# Altium PCB board.PcbDoc (part 1 of 3)
Units mm, origin at the board's own origin, x right, y up, seen from the top; angles counter-clockwise.
Board outline 100 x 60 mm, 4 copper layers (Top Layer, Mid Layer 1, Mid Layer 2, Bottom Layer), stack 1.57 mm thick; 239 components, 177 nets, 838 pads, 365 vias.
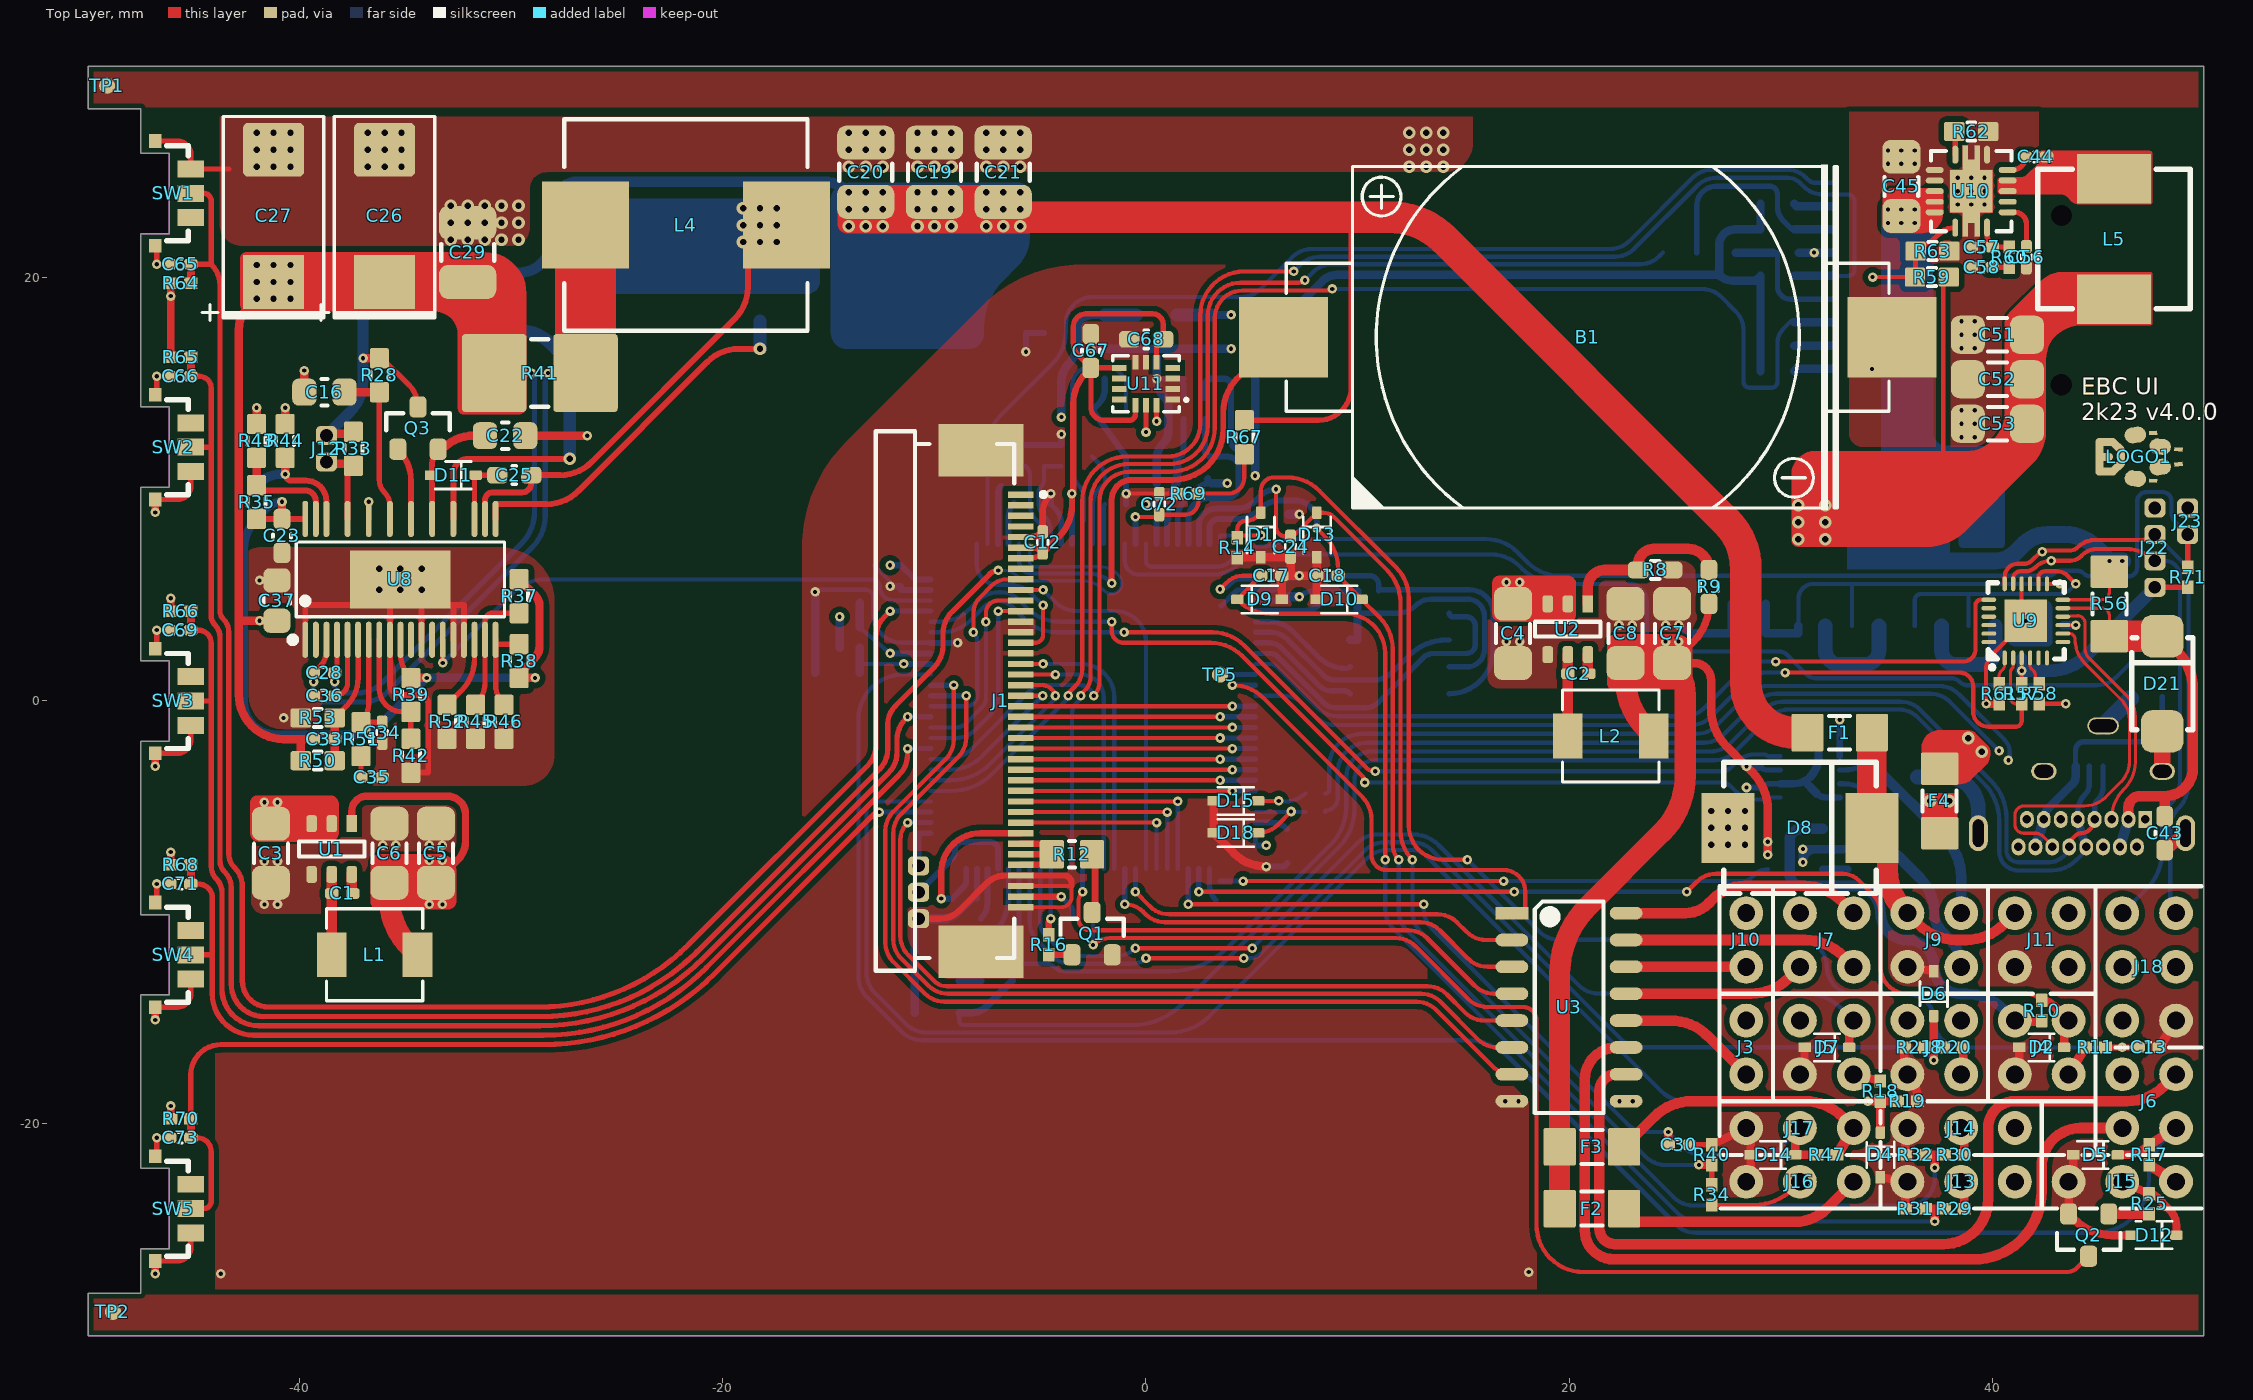
[diagram p0: Top Layer view]
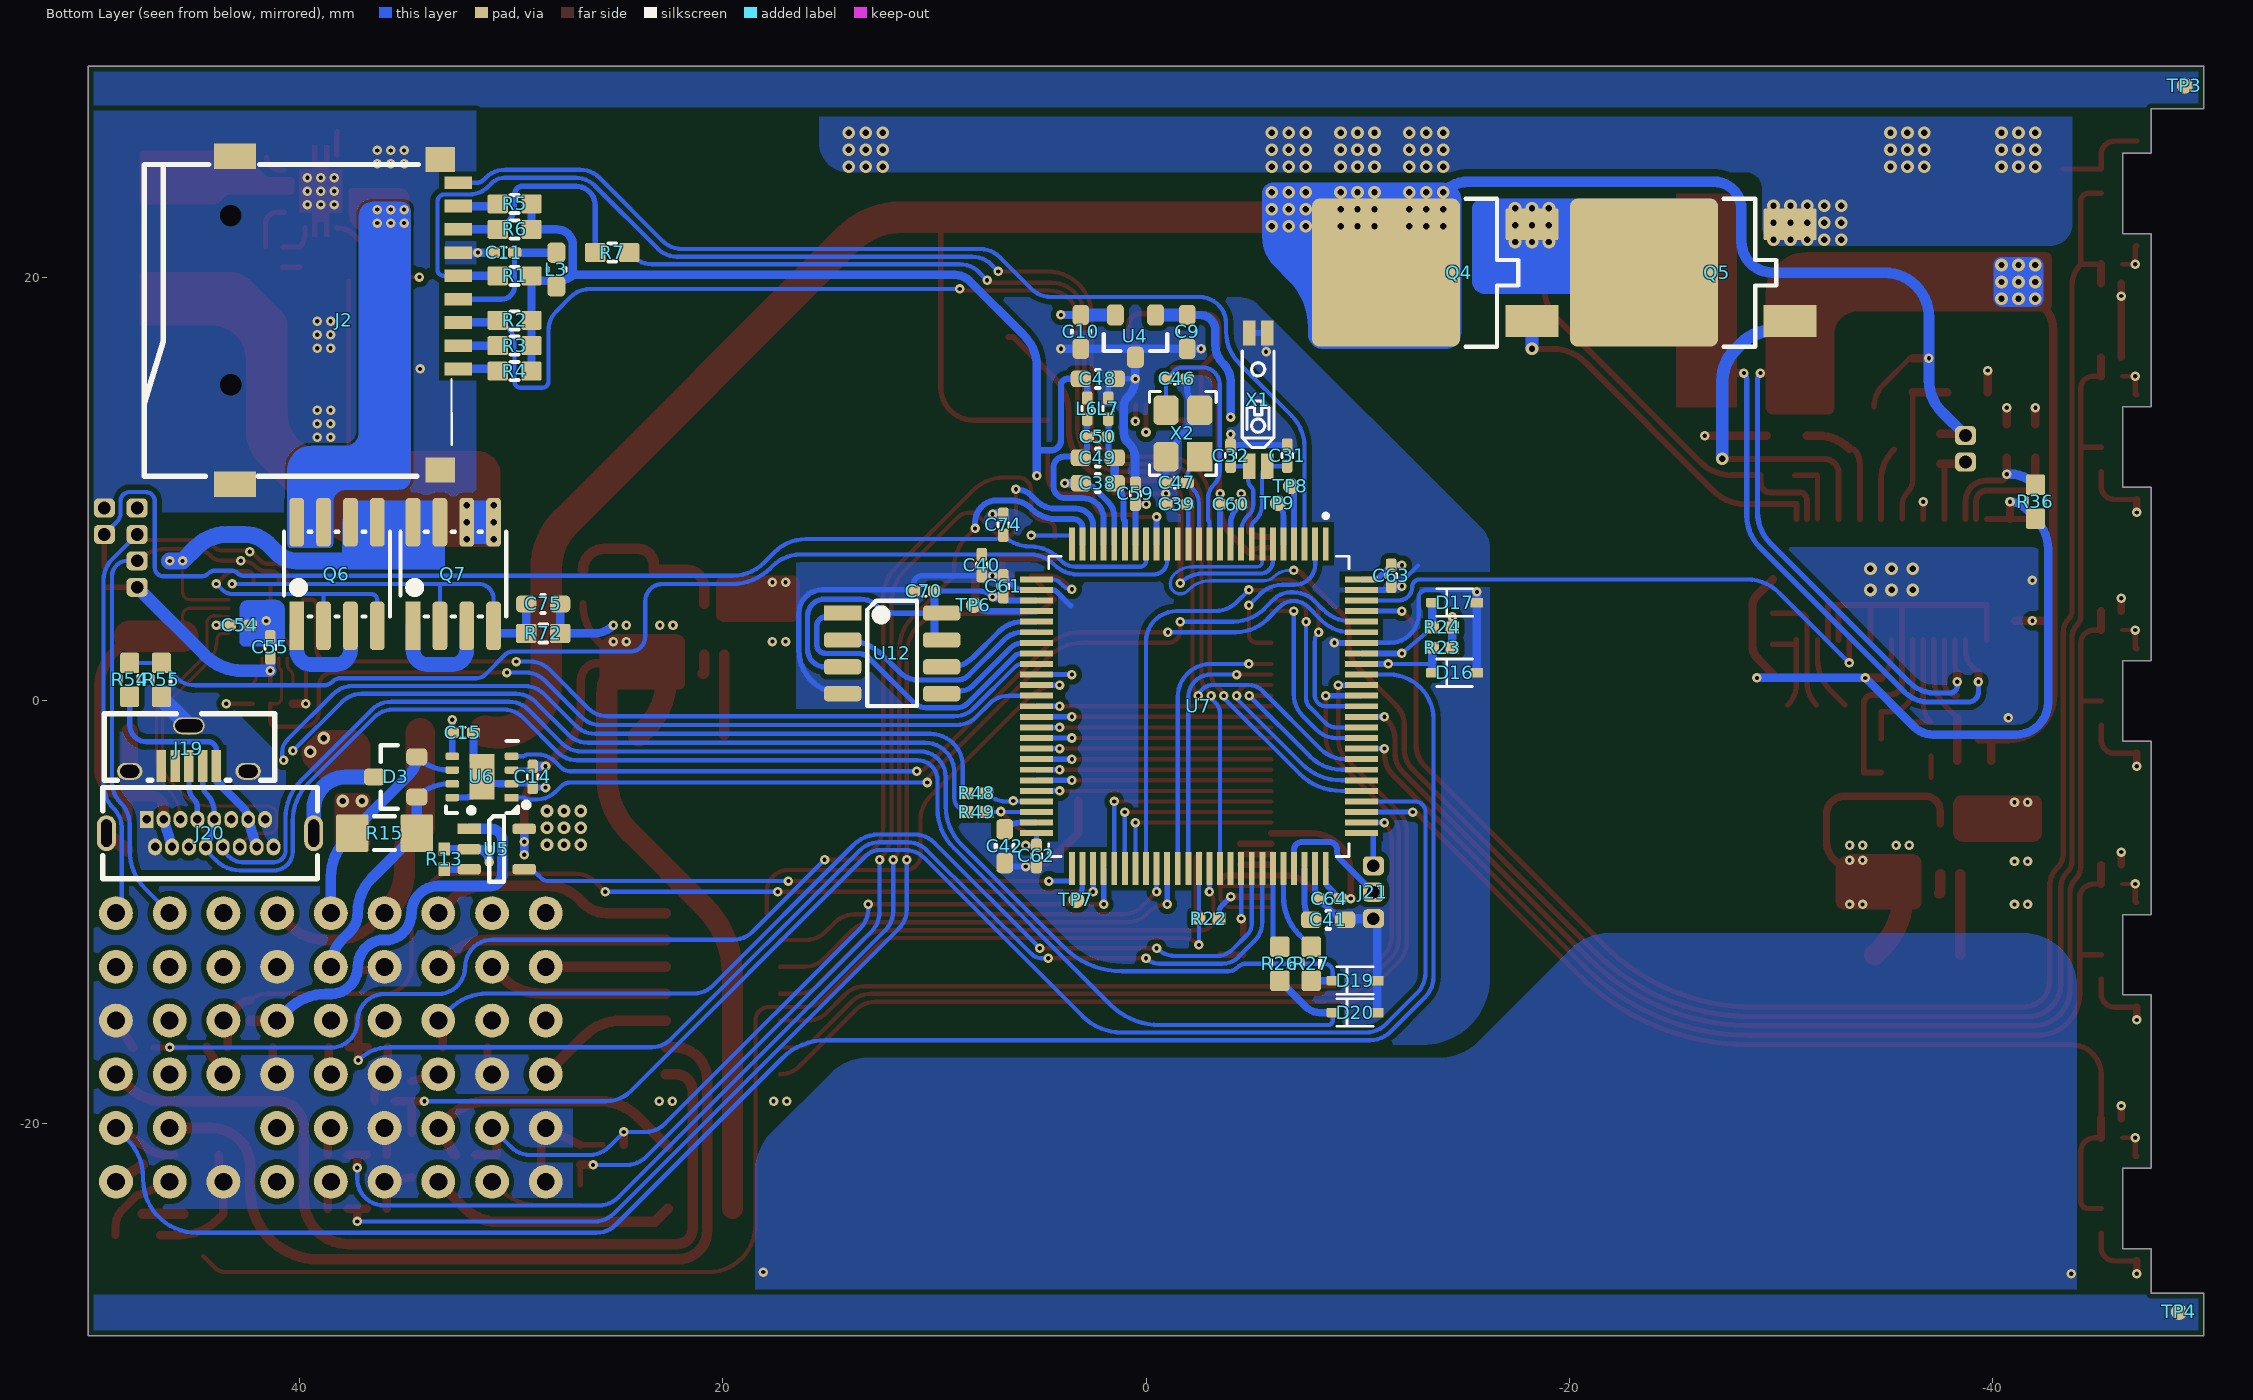
[diagram p1: Bottom Layer view, seen from below]
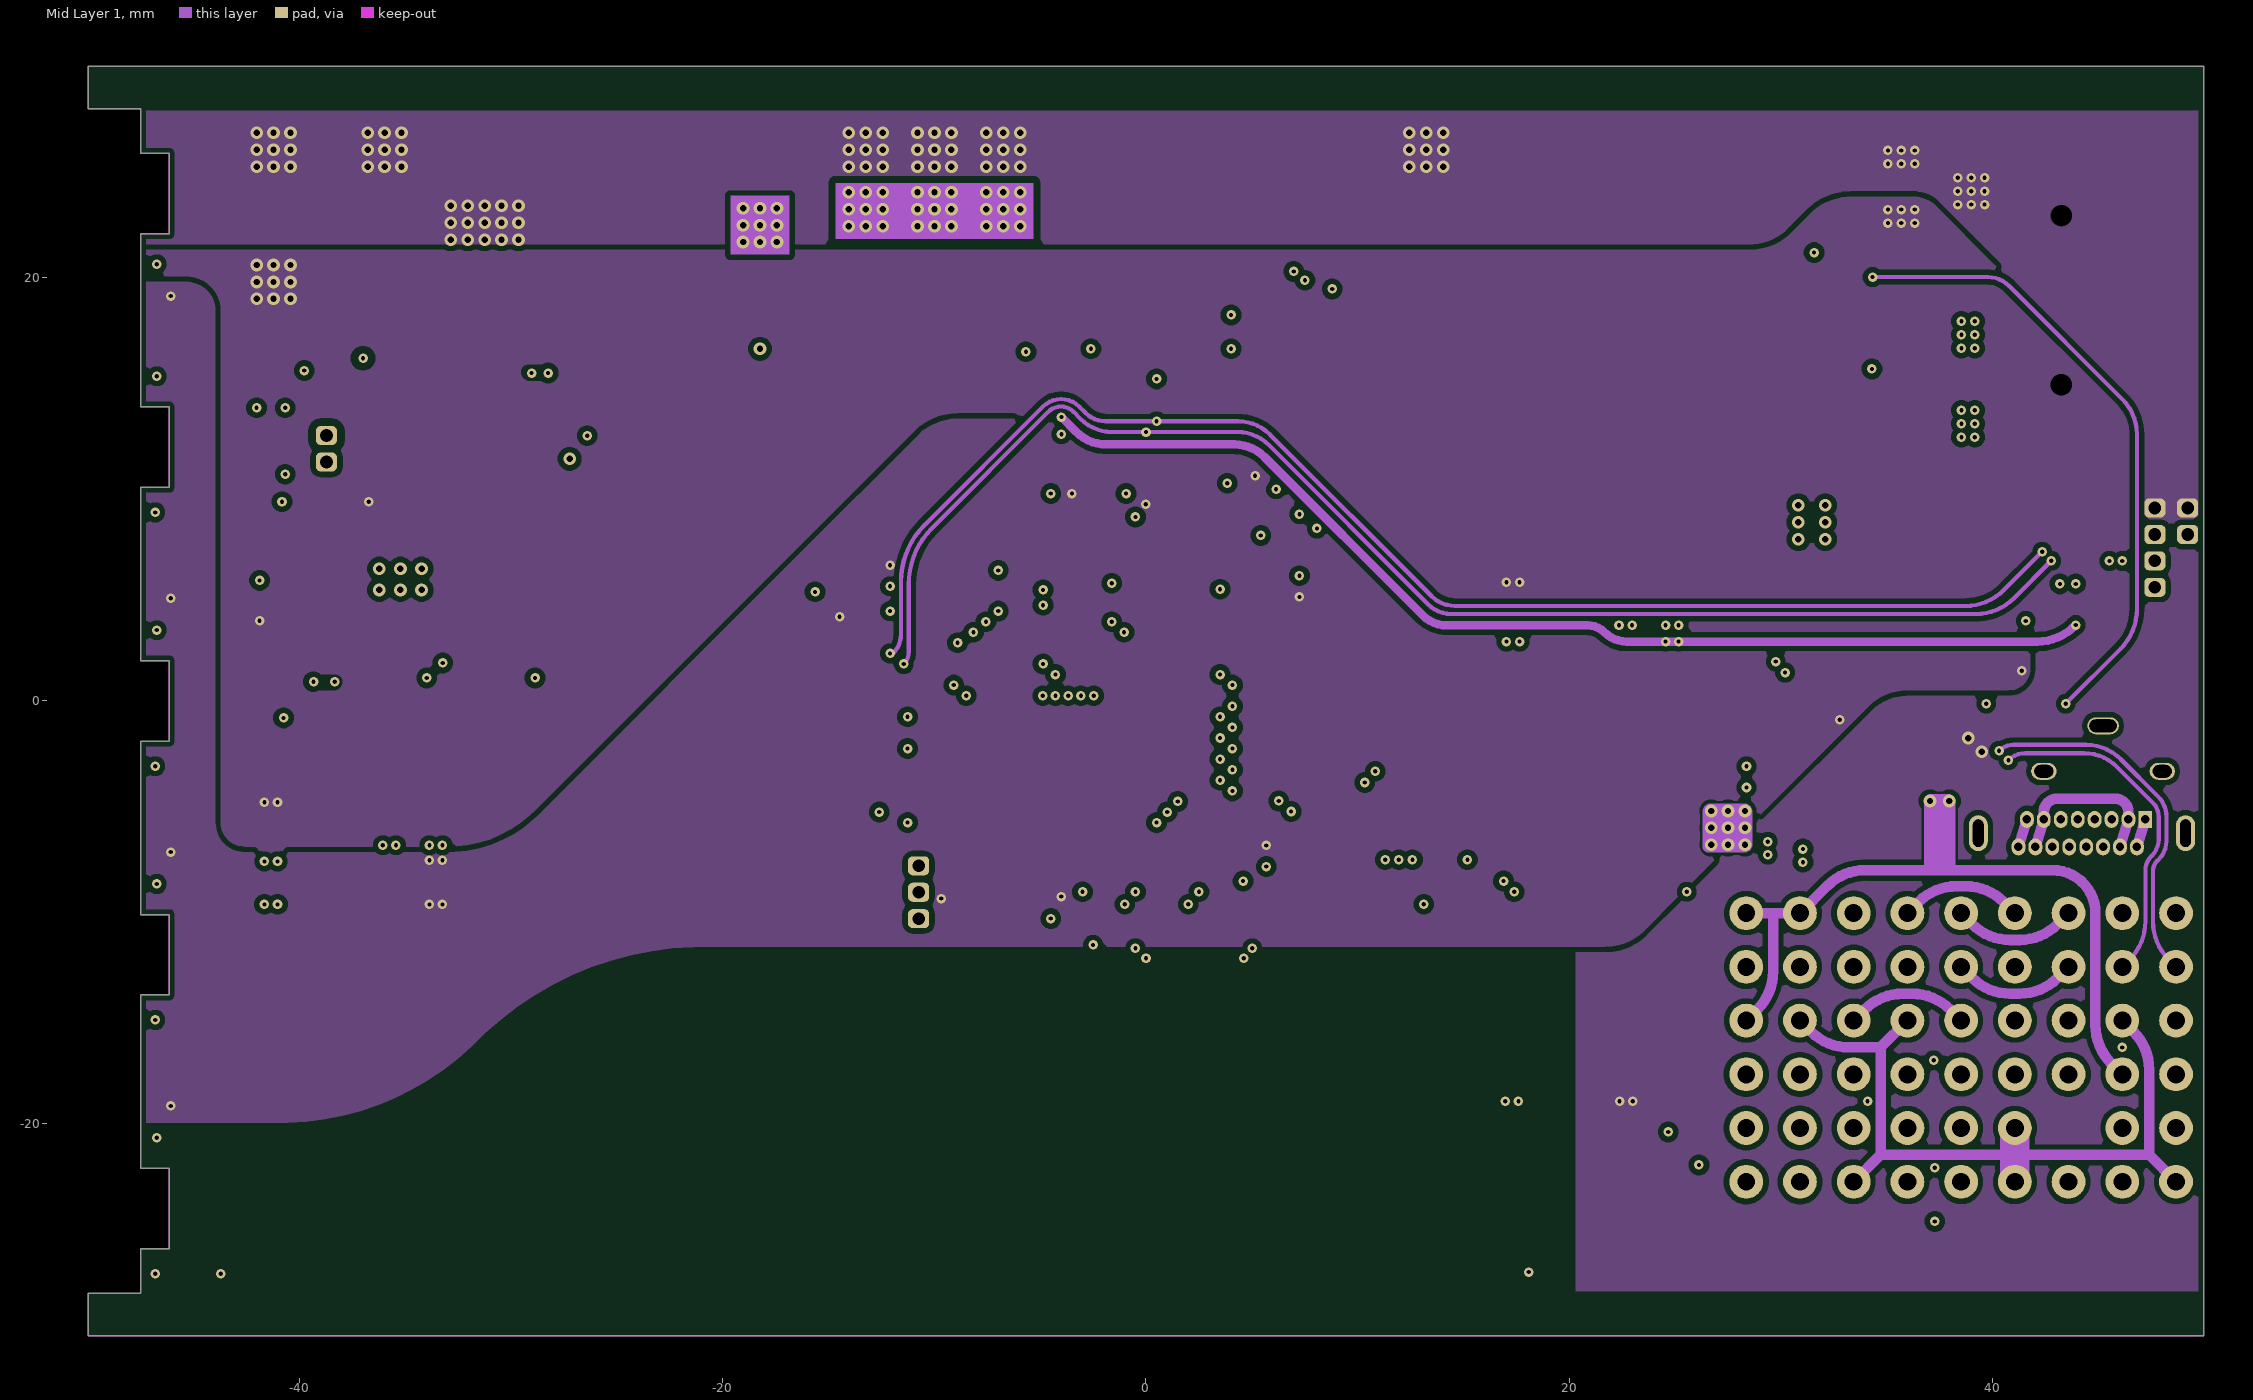
[diagram p2: Mid Layer 1]
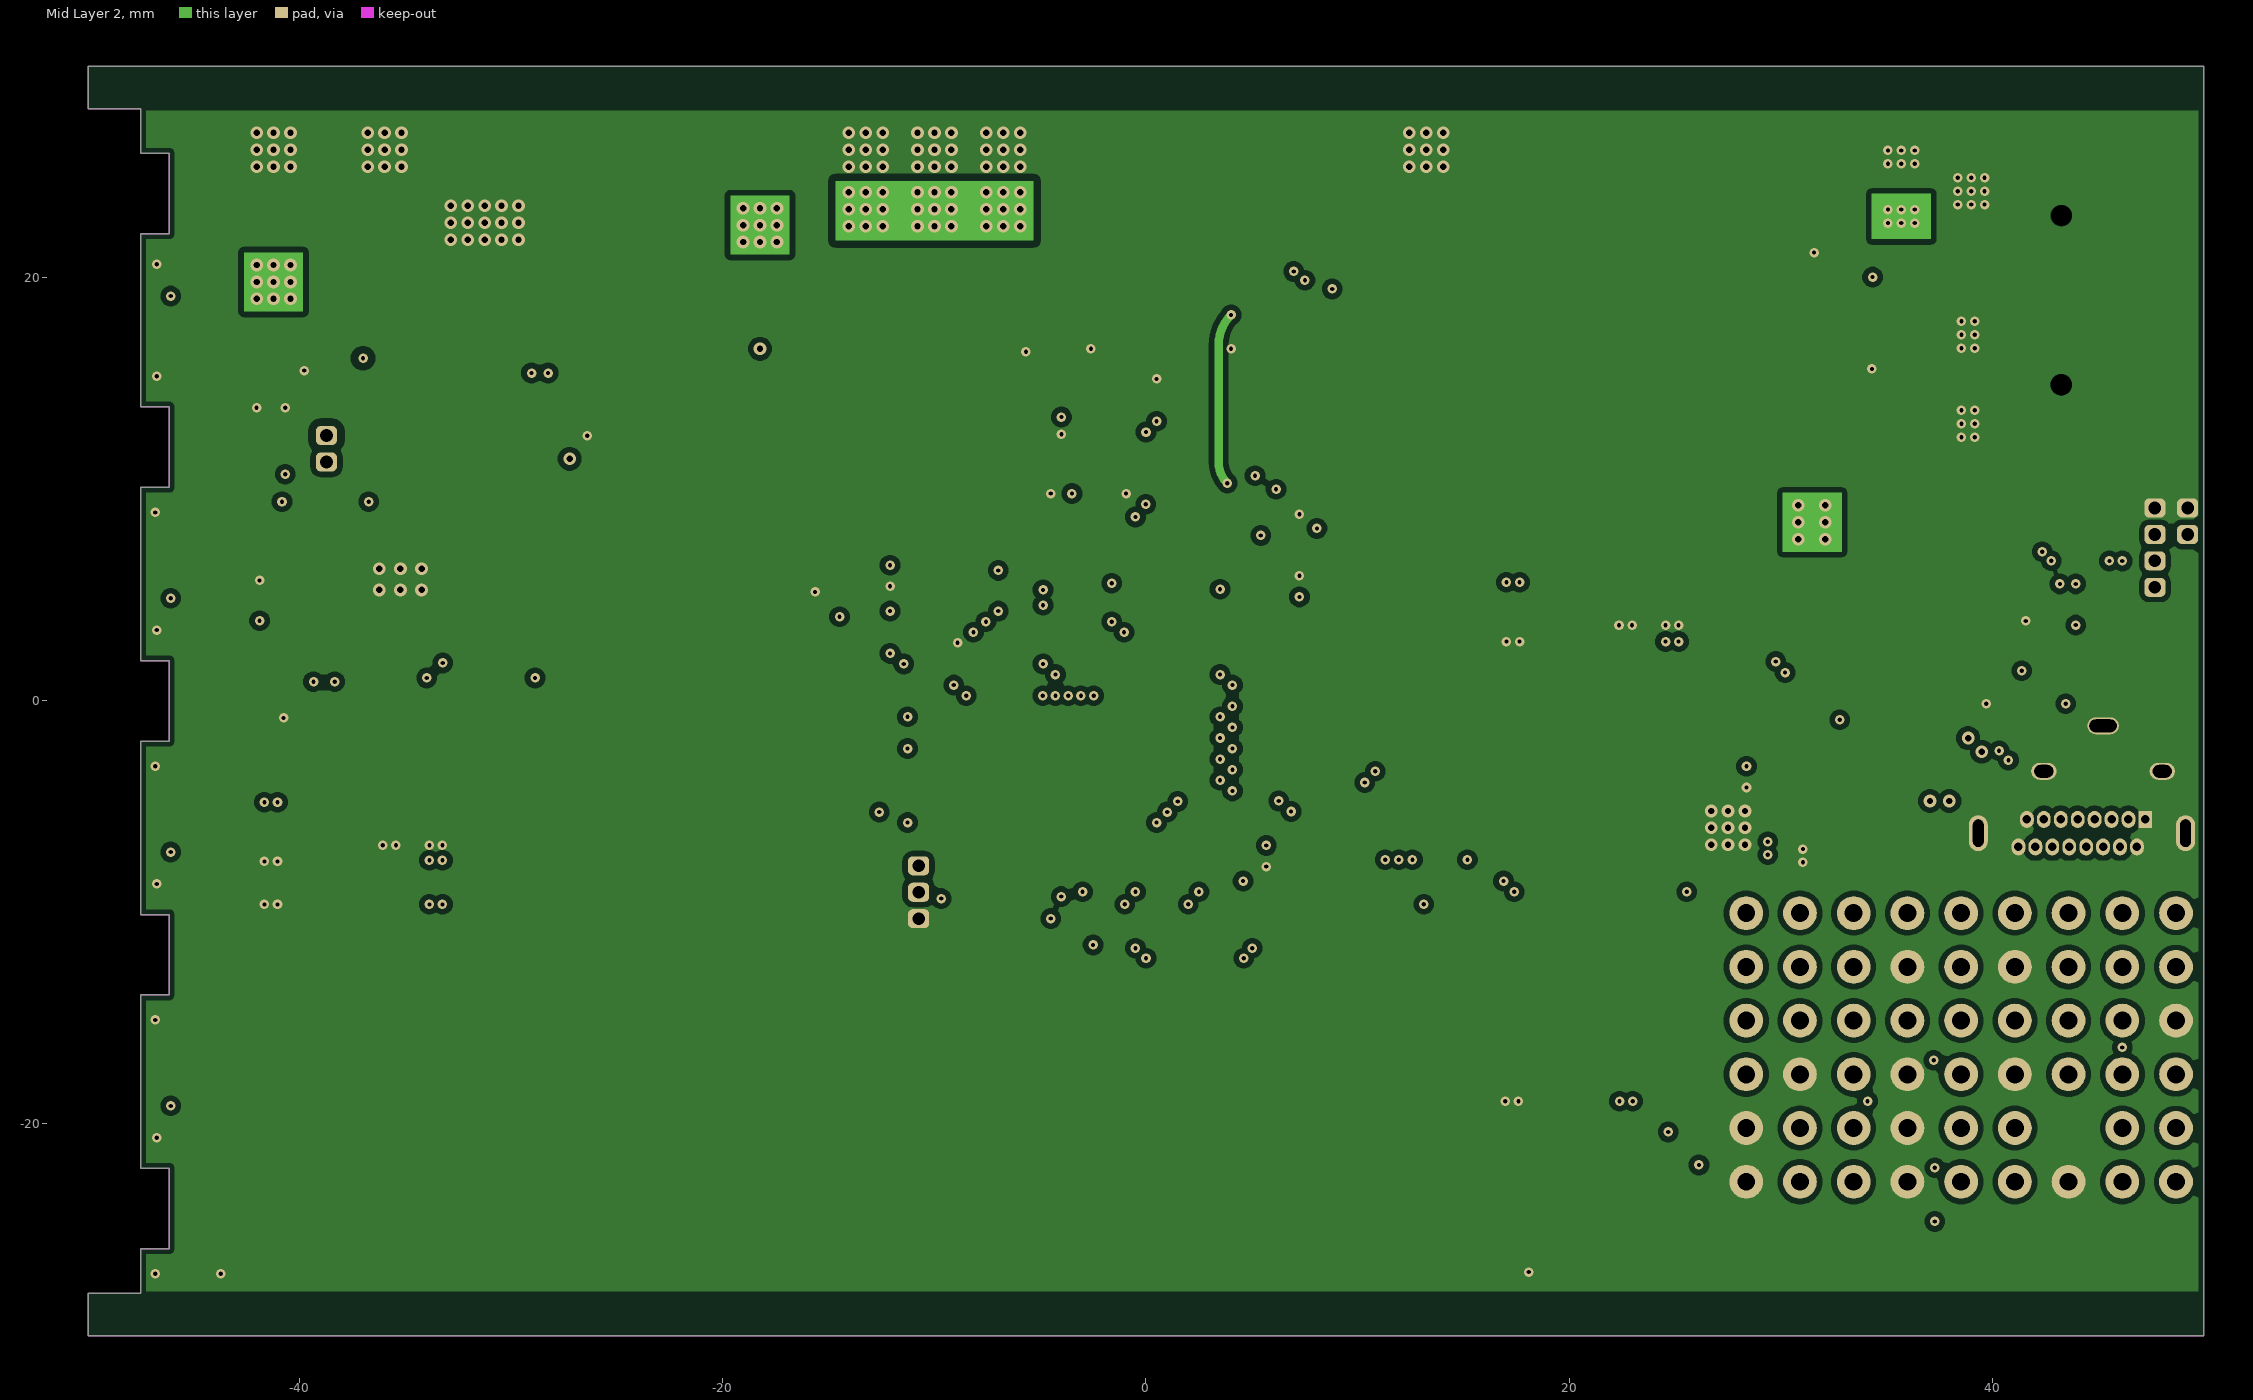
[diagram p3: Mid Layer 2]
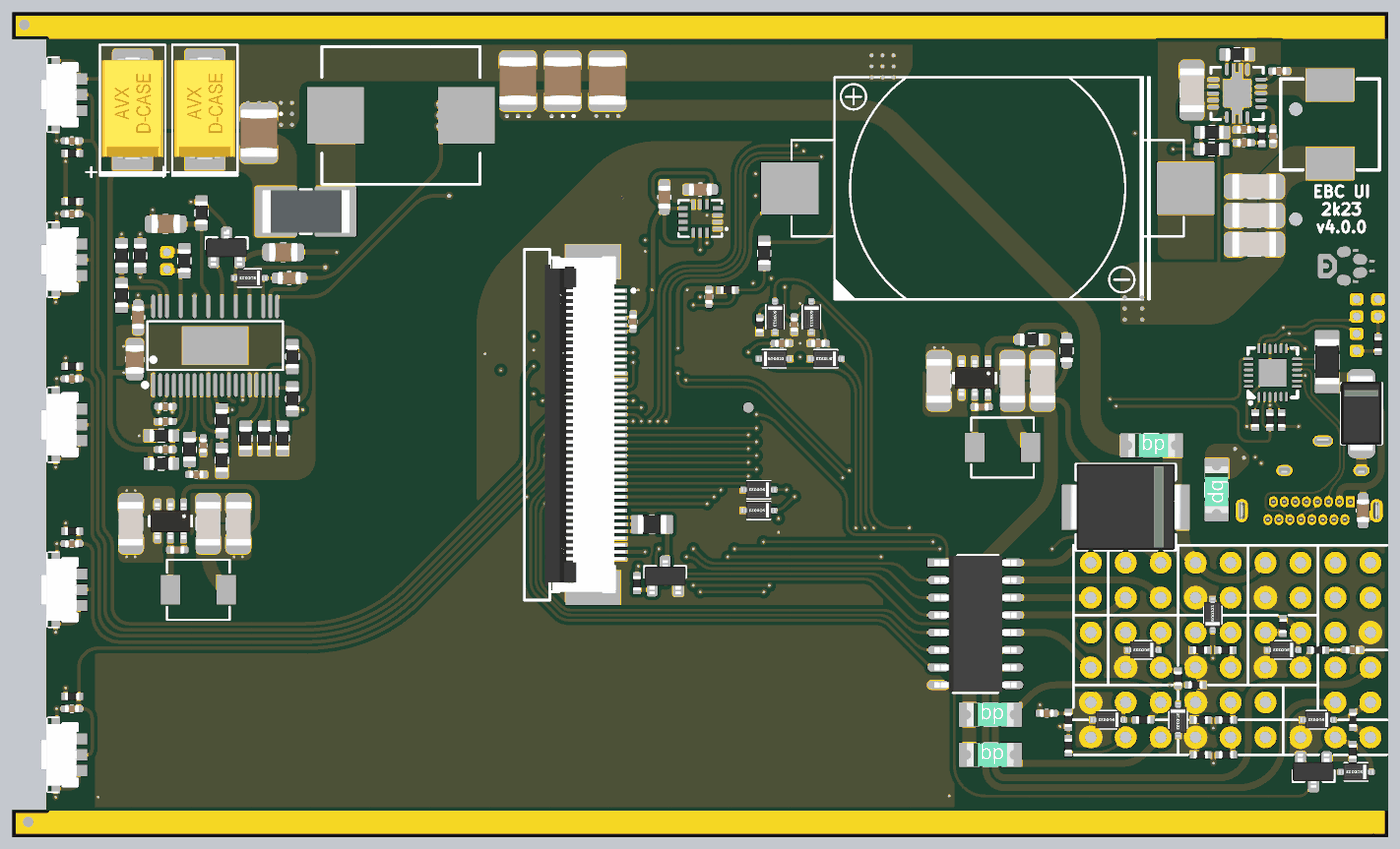
[diagram p6: 3D render of the assembled board from above, using the file's embedded part models]
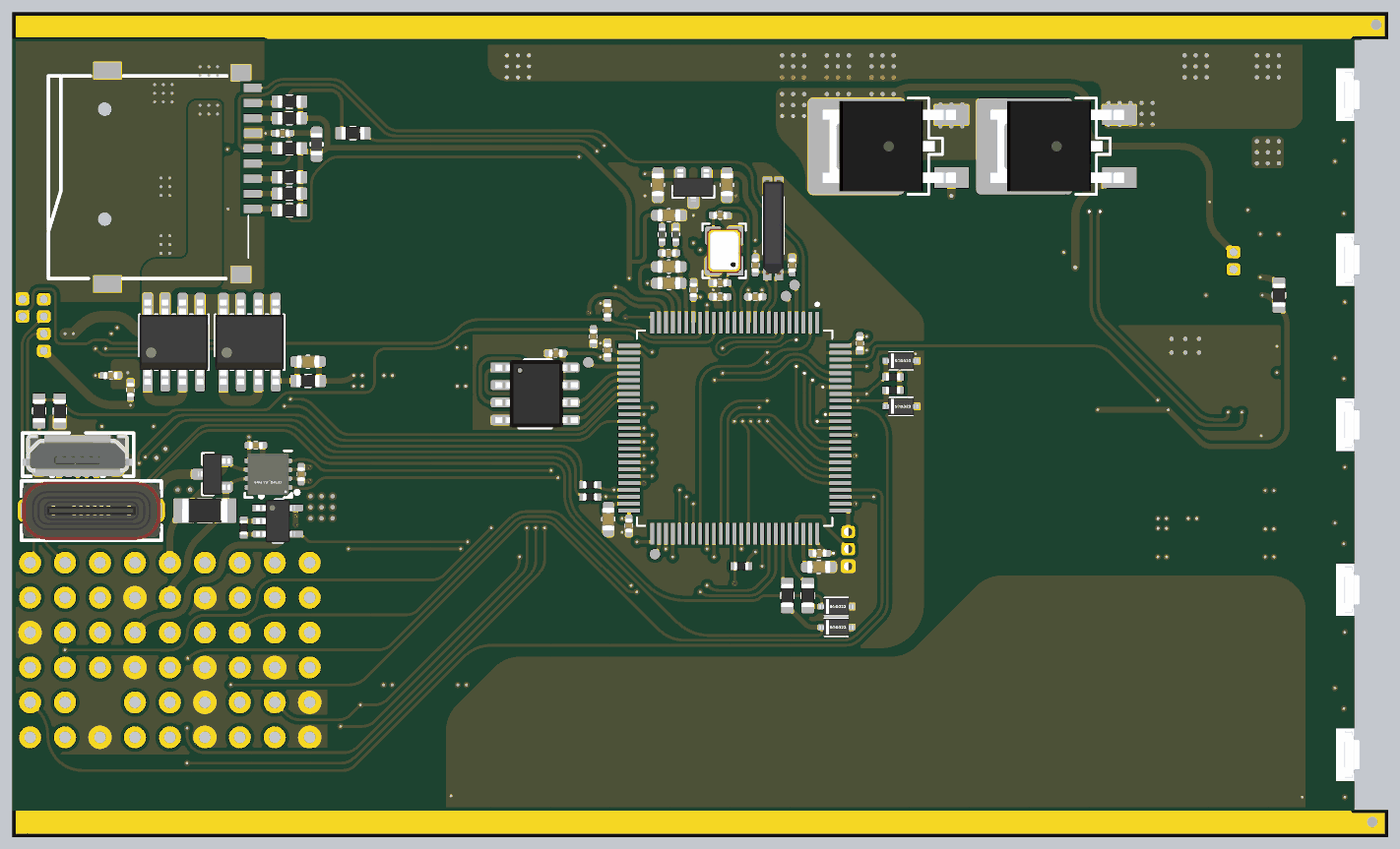
[diagram p7: 3D render of the assembled board from below, using the file's embedded part models]

## Layer stack, top to bottom
Top Solder: solder mask 0.0127, Solder Resist, Dk 3.8
Top Layer: signal copper 0.035
Dielectric 1: prepreg 0.1, 2313, Dk 4.05
Mid Layer 1: signal copper 0.0175
Core: core 1.265, FR-4, Dk 4.5
Mid Layer 2: signal copper 0.0175
Dielectric 2: prepreg 0.1, 2313, Dk 4.05
Bottom Layer: signal copper 0.035
Bottom Solder: solder mask 0.0127, Solder Resist, Dk 3.8

## Board outline
-50,-28 -47.537,-28 -47.537,-25.9 -46.187,-25.9 -46.187,-22.1 -47.537,-22.1 -47.537,-13.9 -46.187,-13.9 -46.187,-10.1 -47.537,-10.1 -47.537,-1.9 -46.187,-1.9 -46.187,1.9 -47.537,1.9 -47.537,10.1 -46.187,10.1 -46.187,13.9 -47.537,13.9 -47.537,22.1 -46.187,22.1 -46.187,25.9 -47.537,25.9 -47.537,28 -50,28 -50,30 50,30 50,-30 -50,-30

## Design rules (kind name [scope] priority, off if disabled: settings)
Clearance Clearance_1 [InNet('Vb')] p1: gap=0.35 ignorepadtopadclearanceinfootprint=FALSE
Clearance [All] p2: gap=0.127 ignorepadtopadclearanceinfootprint=FALSE except(0: Arc-Hole Track-Hole SMDPad-Hole THPad-Hole Via-Hole Fill-Hole Poly-Hole Region-Hole Text-Hole; 0.254: Arc-Poly Track-Poly SMDPad-Poly THPad-Poly Via-Poly Fill-Poly Poly-Poly)
ComponentClearance [All] p1: gap=0.254 collisioncheckmode=3 verticalgap=0.254 showdistances=FALSE donotcheckwithout3dbody=TRUE
Height [All] p1 off: minheight=0 maxheight=25.4 prefheight=12.7
MinimumSolderMaskSliver [All] p1 off: minsoldermaskwidth=0.254
PolygonConnect [All] p1: connectstyle=Direct reliefconductorwidth=0.254 reliefentries=4 polygonreliefangle="90 Angle" airgapwidth=0.254
RoutingVias [All] p1: holewidth=0.711 width=1.524 viastyle="Through Hole" minholewidth=0.025 minwidth=0.025 maxholewidth=7.112 maxwidth=12.7
SilkToSilkClearance [All] p1 off: silktosilkclearance=0.254
SilkToSolderMaskClearance [IsPad] p1 off: minsilkscreentomaskgap=0.254 clearancetoexposedcopper=TRUE
SolderMaskExpansion [All] p1: expansion=0.05 istentingtop=FALSE
Width [All] p1: maxlimit=500 minlimit=0.15 preferedwidth=0.254
25 further rules are at their usual default settings.

## Components (designator, comment, footprint, x,y, rotation, side; value= is the part's Value field where it differs from the comment)
B1 "CR2032-BS-6-1" BAT-TH_CR2032-BS-6-1 20.885,17.2 r180 top
C1 "100nF" C0402 -38,-9.1 r180 top
C2 "100nF" C0402 20.445,1.294 r180 top
C3 "10uF" C1206 -41.372,-7.2 r90 top
C4 "10uF" C1206 17.352,3.194 r90 top
C5 "10uF" C1206 -33.572,-7.2 r270 top
C6 "10uF" C1206 -35.772,-7.2 r270 top
C7 "10uF" C1206 24.873,3.194 r270 top
C8 "10uF" C1206 22.673,3.194 r270 top
C9 "100nF" C0603 -1.944,17.45 r90 bottom
C10 "100nF" C0603 3.08,17.45 r90 bottom
C11 "100nF" C0402 30.354,21.199 r180 bottom
C12 "100nF" C0402 -4.886,7.5 r270 top
C13 "100n" C0402 47.406,-16.38 r180 top
C14 "100nF" C0402 29,-3.59 r90 bottom
C15 "100nF" C0402 32.296,-1.498 r0 bottom
C16 "" C0805 -38.843,14.604 r180 top
C17 "100n" C0402 5.928,5.923 r180 top
C18 "100n" C0402 8.579,5.923 r0 top
C19 "2u2" C1210 -10,25 r270 top
C20 "2u2" C1210 -13.25,25 r270 top
C21 "2u2" C1210 -6.75,25 r270 top
C22 "4u7" C0805 -30.297,12.545 r0 top
C23 "100n" C0603 -40.85,7.807 r90 top
C24 "100n" C0402 6.836,7.293 r90 top
C25 "100n" C0603 -29.867,10.675 r180 top
C26 "150uF" C7343 -36,23 r90 top
C27 "150uF" C7343 -41.25,23 r90 top
C28 "1n" C0402 -38.86,1.331 r180 top
C29 "22u" C1210 -32.07,21.212 r270 top
C30 "100n" C0402 25.187,-20.984 r180 top
C31 "18pF" C0402 -6.677,11.6 r270 bottom
C32 "18pF" C0402 -4,11.6 r270 bottom
C33 "" C0402 -38.86,-1.8 r0 top
C34 "100p" C0402 -36.114,-1.5 r270 top
C35 "4n7" C0402 -36.614,-3.615 r0 top
C36 "100n" C0402 -38.86,0.243 r180 top
C37 "1u" C0805 -41.091,4.75 r90 top
C38 "1uF" C0603 2.28,10.298 r0 bottom
C39 "100nF" C0402 -1.444,9.298 r180 bottom
C40 "100n" C0402 7.762,6.423 r90 bottom
C41 "1uF" C0603 -8.614,-10.343 r0 bottom
C42 "1uF" C0603 6.679,-6.864 r90 bottom
C43 "1u" C0603 48.165,-6.25 r90 top
C44 "100n" C0402 42.078,25.723 r180 top
C45 "10uF" C1206 35.712,24.329 r270 top
C46 "18pF" C0402 -1.444,15.228 r0 bottom
C47 "18pF" C0402 -1.444,10.314 r180 bottom
C48 "1uF" C0603 2.28,15.228 r0 bottom
C49 "1uF" C0603 2.28,11.501 r0 bottom
C50 "100nF" C0402 2.28,12.493 r0 bottom
C51 "10uF" C1206 40.256,17.314 r0 top
C52 "10uF" C1206 40.256,15.21 r0 top
C53 "10uF" C1206 40.256,13.106 r0 top
C54 "1u" C0402 42.85,3.588 r180 bottom
C55 "1u" C0402 41.4,2.537 r90 bottom
C56 "2n2" C0402 41.626,20.987 r270 top
C57 "91pF" C0402 39.515,21.463 r180 top
C58 "47nF" C0402 39.516,20.511 r180 top
C59 "100nF" C0402 0.5,9.798 r270 bottom
C60 "100nF" C0402 -4,9.298 r0 bottom
C61 "100nF" C0402 6.746,5.423 r270 bottom
C62 "100nF" C0402 5.18,-7.329 r90 bottom
C63 "100nF" C0402 -11.593,5.923 r90 bottom
C64 "100nF" C0402 -8.673,-9.343 r180 bottom
C65 "100n" C0402 -45.663,20.65 r180 top
C66 "100n" C0402 -45.663,15.35 r180 top
C67 "2u2" C0603 -2.605,16.55 r90 top
C68 "100n" C0603 0.01,17.101 r180 top
C69 "100n" C0402 -45.663,3.35 r180 top
C70 "100nF" C0402 10.5,5.2 r180 bottom
C71 "100n" C0402 -45.663,-8.65 r180 top
C72 "100n" C0402 0.632,9.306 r270 top
C73 "100n" C0402 -45.663,-20.65 r180 top
C74 "100n" C0402 6.746,8.331 r270 bottom
C75 "1n" C0603 28.503,4.587 r0 bottom
D1 "3V3" SOD-323 5.428,7.848 r270 top
D2 "5V" SOD-323 42.35,-16.38 r180 top
D3 "PESD2CAN" SOT-23 35.476,-3.59 r180 bottom
D4 "5V" SOD-323 34.723,-21.46 r270 top
D5 "5V" SOD-323 44.89,-21.46 r180 top
D6 "5V" SOD-323 37.244,-13.84 r90 top
D7 "5V" SOD-323 32.19,-16.38 r180 top
D8 "90V?" SMC 30.92,-6 r180 top
D9 "3V3" SOD-323 5.373,4.803 r0 top
D10 "3V3" SOD-323 9.134,4.803 r180 top
D11 "1N4148WS" SOD-323 -32.75,10.675 r180 top